# Altium PCB PCB4.PcbDoc (part 1 of 3) (continued)
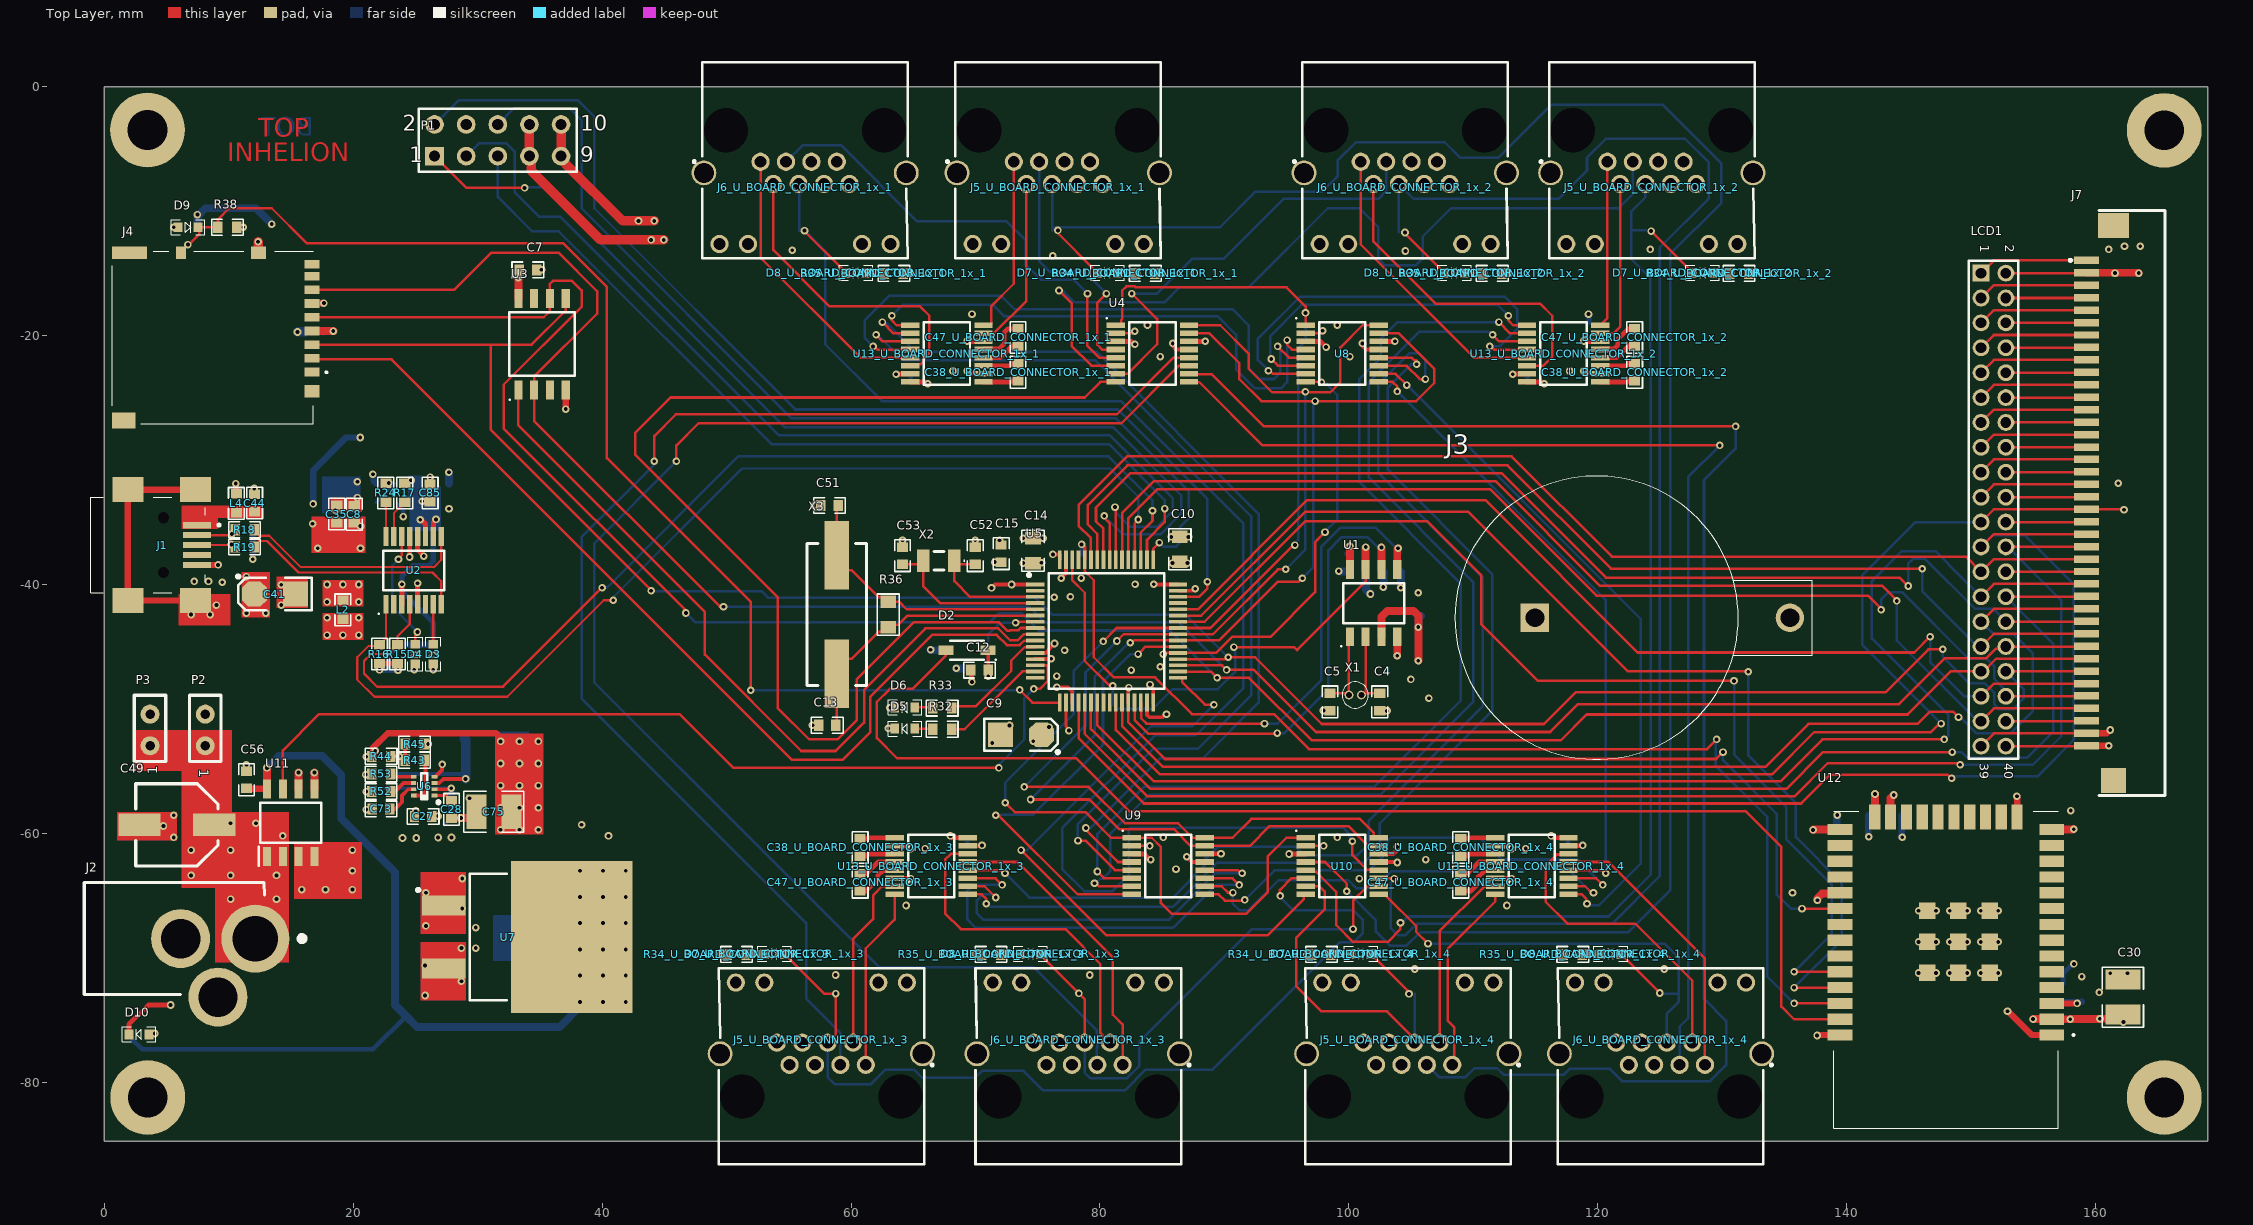
[diagram p0: Top Layer view]
## Components (designator, comment, footprint, x,y, rotation, side; value= is the part's Value field where it differs from the comment)
C1 "0.1uF/16V" 0603C 99.975,-38.212 r270 bottom
C2 "0.1uF/16V" 0603C 105.585,-41.899 r90 bottom
C3 "4.7uF/16V" CASE-A 105.675,-45.112 r270 bottom
C4 "10pF/50V" 0603C 102.475,-49.412 r90 top
C5 "10pF/50V" 0603C 98.475,-49.412 r270 top
C6 "0.1uF/16V" 0603C 16.891,-19.668 r0 bottom
C7 "0.1uF/16V" 0603C 34.036,-14.715 r180 top
C8 "0.01uF/16V" 0603C 20.086,-34.342 r90 top
C9 "4.7uF/16V" CASE-A 75.311,-52.053 r180 top
C10 "10uF/25V" 0805C 86.421,-37.165 r270 top
C11 "0.1uF/16V" 0603C 76.821,-38.365 r270 bottom
C12 "1uF/16V" 0603C 70.321,-46.865 r180 top
C13 "20pF/50V" 0603C 58.09,-51.291 r180 top
C14 "10uF/25V" 0805C 74.621,-37.265 r270 top
C15 "0.1uF/16V" 0603C 72.06,-37.513 r90 top
C16 "0.1uF/16V" 0603C 85.462,-21.094 r180 bottom
C17 "0.1uF/16V" 0603C 86.65,-62.28 r180 bottom
C18 "0.1uF/16V" 0603C 100.72,-21.16 r180 bottom
C19 "0.1uF/16V" 0603C 104.902,-62.086 r0 bottom
C20 "0.1uF/16V" 0603C 84.328,-47.354 r90 bottom
C21 "0.1uF/16V" 0603C 76.454,-45.83 r0 bottom
C22 "0.1uF/16V" 0603C 76.921,-40.465 r0 bottom
C23 "0.1uF/16V" 0603C 84.021,-39.965 r180 bottom
C24 "0.1uF/16V" 0603C 76.986,-48.065 r90 bottom
C25 "1uF/16V" 0603C 22.247,-55.209 r180 bottom
C26 "22uF/25V" 1210C 25.925,-59.268 r0 bottom
C27 "0.1uF/50V" 0603C 25.63,-58.621 r0 top
C28 "1nF/63V" 0603C 27.906,-58.048 r90 top
C29 "0.1uF/16V" 0603C 160.274,-73.897 r90 bottom
C30 "22uF/25V" 1210C 162.179,-73.135 r270 top
C31 "1uF/16V" 0603C 157.438,-72.826 r90 bottom
C32 "0.1uF/16V" 0603C 161.544,-52.307 r270 bottom
C33 "22uF/25V" 1210C 27.178,-68.563 r270 bottom
C34 "22uF/25V" 1210C 39.37,-61.07 r270 bottom
C35 "0.1uF/16V" 0603C 18.689,-34.328 r90 top
C36 "0.1uF/16V" 0603C 161.036,-14.207 r90 bottom
C37 "10uF/25V" 0805C 162.936,-13.807 r270 bottom
C38_U_BOARD_CONNECTOR_1x_1 "0.1uF/50V" 0603C 73.416,-22.935 r270 top (schematic designator C38)
C38_U_BOARD_CONNECTOR_1x_2 "0.1uF/50V" 0603C 122.946,-22.935 r270 top (schematic designator C38)
C38_U_BOARD_CONNECTOR_1x_3 "0.1uF/50V" 0603C 60.73,-61.105 r90 top (schematic designator C38)
C38_U_BOARD_CONNECTOR_1x_4 "0.1uF/50V" 0603C 108.99,-61.105 r90 top (schematic designator C38)
C39_U_BOARD_CONNECTOR_1x_1 "0.1uF/50V" 0603C 65.508,-23.335 r0 bottom (schematic designator C39)
C39_U_BOARD_CONNECTOR_1x_2 "0.1uF/50V" 0603C 115.038,-23.335 r0 bottom (schematic designator C39)
C39_U_BOARD_CONNECTOR_1x_3 "0.1uF/50V" 0603C 68.638,-60.705 r180 bottom (schematic designator C39)
C39_U_BOARD_CONNECTOR_1x_4 "0.1uF/50V" 0603C 116.898,-60.705 r180 bottom (schematic designator C39)
C40 "4.7uF/16V" CASE-A 19.304,-35.543 r90 bottom
C41 "4.7uF/16V" CASE-A 12.067,-40.75 r0 top
C42 "0.1uF/16V" 0603C 13.544,-39.611 r180 bottom
C43 "0.1uF/16V" 0603C 13.544,-41.135 r180 bottom
C44 "0.01uF/16V" 0603C 12.085,-33.45 r90 top
C45_U_BOARD_CONNECTOR_1x_1 "0.1uF/50V" 0603C 69.744,-19.46 r270 bottom (schematic designator C45)
C45_U_BOARD_CONNECTOR_1x_2 "0.1uF/50V" 0603C 119.313,-19.65 r270 bottom (schematic designator C45)
C45_U_BOARD_CONNECTOR_1x_3 "0.1uF/50V" 0603C 64.349,-64.563 r90 bottom (schematic designator C45)
C45_U_BOARD_CONNECTOR_1x_4 "0.1uF/50V" 0603C 112.662,-64.545 r90 bottom (schematic designator C45)
C46_U_BOARD_CONNECTOR_1x_1 "0.1uF/50V" 0603C 68.908,-23.335 r0 bottom (schematic designator C46)
C46_U_BOARD_CONNECTOR_1x_2 "0.1uF/50V" 0603C 118.438,-23.335 r0 bottom (schematic designator C46)
C46_U_BOARD_CONNECTOR_1x_3 "0.1uF/50V" 0603C 65.238,-60.705 r180 bottom (schematic designator C46)
C46_U_BOARD_CONNECTOR_1x_4 "0.1uF/50V" 0603C 113.498,-60.705 r180 bottom (schematic designator C46)
C47_U_BOARD_CONNECTOR_1x_1 "0.1uF/50V" 0603C 73.416,-20.135 r270 top (schematic designator C47)
C47_U_BOARD_CONNECTOR_1x_2 "0.1uF/50V" 0603C 122.946,-20.135 r270 top (schematic designator C47)
C47_U_BOARD_CONNECTOR_1x_3 "0.1uF/50V" 0603C 60.73,-63.905 r90 top (schematic designator C47)
C47_U_BOARD_CONNECTOR_1x_4 "0.1uF/50V" 0603C 108.99,-63.905 r90 top (schematic designator C47)
C48 "2.2uF/50V" 0603C 5.969,-59.292 r0 bottom
C49 "10uF/63V" EEE-FN1J100L 5.842,-59.292 r180 top
C50 "47pF/100V" 0603C 11.261,-35.674 r180 bottom
C51 "20pF/50V" 0603C 58.279,-33.638 r180 top
C52 "20pF/50V" 0603C 69.977,-37.675 r90 top
C53 "20pF/50V" 0603C 64.135,-37.675 r90 top
C54 "1uF/16V" 0603C 30.988,-67.547 r0 bottom
C55 "0.1uF/16V" 0603C 30.963,-69.189 r180 bottom
C56 "0.1uF/16V" 0603C 11.43,-55.671 r90 top
C63 "47pF/100V" 0603C 11.261,-36.944 r180 bottom
C73 "6.8nF/50V" 0603C 22.247,-58.016 r0 top
C74 "22uF/25V" 1210C 31.308,-58.25 r0 bottom
C75 "22uF/25V" 1210C 31.308,-58.25 r0 top
C76 "10pF/50V" 0603C 22.255,-53.789 r0 bottom
C85 "0.1uF/16V" 0603C 26.182,-32.626 r270 top
C86 "4.7nF/50V" 0603C 9.545,-41.008 r270 bottom
D1 "1N4148" 1N4148W-13-F 69.321,-45.265 r180 bottom value=100V
D2 "1N4148" 1N4148W-13-F 69.321,-45.265 r180 top value=100V
D3 "LEDR" LED_0603 26.436,-45.58 r90 top value=RED
D4 "LEDR" LED_0603 24.993,-45.58 r90 top value=RED
D5 "LEDR" LED_0603 64.321,-51.565 r180 top value=RED
D6 "LEDR" LED_0603 64.321,-49.865 r180 top value=RED
D7_U_BOARD_CONNECTOR_1x_1 "LEDR" LED_0603 80.593,-14.945 r180 top value=RED (schematic designator D7)
D7_U_BOARD_CONNECTOR_1x_2 "LEDR" LED_0603 128.419,-14.945 r180 top value=RED (schematic designator D7)
D7_U_BOARD_CONNECTOR_1x_3 "LEDR" LED_0603 53.848,-69.657 r0 top value=RED (schematic designator D7)
D7_U_BOARD_CONNECTOR_1x_4 "LEDR" LED_0603 100.965,-69.657 r0 top value=RED (schematic designator D7)
D8_U_BOARD_CONNECTOR_1x_1 "LEDR" LED_0603 60.4,-14.945 r180 top value=RED (schematic designator D8)
D8_U_BOARD_CONNECTOR_1x_2 "LEDR" LED_0603 108.466,-14.945 r180 top value=RED (schematic designator D8)
D8_U_BOARD_CONNECTOR_1x_3 "LEDR" LED_0603 74.422,-69.657 r0 top value=RED (schematic designator D8)
D8_U_BOARD_CONNECTOR_1x_4 "LEDR" LED_0603 121.031,-69.657 r0 top value=RED (schematic designator D8)
D9 "LEDR" LED_0603 6.731,-11.286 r0 top value=RED
D10 "LEDR" LED_0603 2.794,-76.125 r180 top value=RED
J1 "Mini USB" 10033527-N3112LF 4.775,-36.818 r270 top
J2 "PJ-002BH" PJ002BH 12.144,-68.435 r180 top
J3 "101" 101 114.935,-42.655 r0 top locked value=-
J4 "DM3AT-SF-PEJM5" DM3ATSFPEJM5 9.269,-20.143 r270 top
J5_U_BOARD_CONNECTOR_1x_1 "RJHSE-5381" RJHSE5381 76.576,-5.9 r180 top (schematic designator J5)
J5_U_BOARD_CONNECTOR_1x_2 "RJHSE-5381" RJHSE5381 124.264,-5.9 r180 top (schematic designator J5)
J5_U_BOARD_CONNECTOR_1x_3 "RJHSE-5381" RJHSE5381 57.684,-78.7 r0 top (schematic designator J5)
J5_U_BOARD_CONNECTOR_1x_4 "RJHSE-5381" RJHSE5381 104.8,-78.7 r0 top (schematic designator J5)
J6_U_BOARD_CONNECTOR_1x_1 "RJHSE-5381" RJHSE5381 56.236,-5.9 r180 top (schematic designator J6)
J6_U_BOARD_CONNECTOR_1x_2 "RJHSE-5381" RJHSE5381 104.452,-5.9 r180 top (schematic designator J6)
J6_U_BOARD_CONNECTOR_1x_3 "RJHSE-5381" RJHSE5381 78.324,-78.7 r0 top (schematic designator J6)
J6_U_BOARD_CONNECTOR_1x_4 "RJHSE-5381" RJHSE5381 125.101,-78.7 r0 top (schematic designator J6)
J7 "ER-CON40HB-2" ERCON40HB2 161.708,-33.442 r270 top locked
L2 "100R,1A" 0603L 19.177,-42.02 r270 top value=100R/1A
L4 "100R,1A" 0603L 10.626,-33.463 r90 top value=100R/1A
L6 "2.2uH" IHLP1616BZER2R2M5A 29.034,-53.507 r0 bottom
LCD1 "LCD320X480" HDR2X20 150.781,-14.969 r270 top locked value=320x480
P1 "Program" HDR2X5 26.543,-5.571 r0 top
P2 "POWER" HEADER_2 8.128,-49.132 r180 top
P3 "Enable" HEADER_2 3.683,-49.132 r180 top
R1 "10K" 0603R 101.375,-38.212 r90 bottom
R2 "1K" 0603R 104.175,-38.212 r90 bottom
R3 "1K" 0603R 102.775,-38.212 r90 bottom
R4 "10K" 0603R 83.062,-19.594 r0 bottom
R5 "10K" 0603R 98.22,-19.76 r0 bottom
R6 "10K" 0603R 84.388,-60.98 r0 bottom
R7 "10K" 0603R 82.221,-48.065 r270 bottom
R8 "10K" 0603R 78.521,-38.365 r90 bottom
R9 "0R" 0603R 27.706,-32.626 r270 bottom
R10 "10K" 0603R 70.321,-46.865 r0 bottom
R11 "10K" 0603R 98.298,-60.562 r0 bottom
R12 "10K" 0603R 138.43,-59.673 r0 bottom
R13 "10K" 0603R 136.906,-64.753 r180 bottom
R14 "10K" 0603R 158.877,-72.754 r90 bottom
R15 "10K" 0603R 23.557,-45.58 r270 top
R16 "10K" 0603R 22.118,-45.58 r270 top
R17 "10K" 0603R 24.15,-32.626 r90 top
R18 "27R" 0603R 11.283,-35.587 r180 top
R19 "27R" 0603R 11.283,-36.975 r180 top
R20 "10K" 0603R 144.399,-57.768 r270 bottom
R21 "10K" 0603R 158.623,-58.911 r270 bottom
R22 "1M" 0805R 7.767,-41.389 r90 bottom
R23 "4.7K" 0603R 21.844,-32.622 r270 bottom
R24 "0R" 0603R 22.626,-32.626 r270 top
R25 "10K" 0603R 23.388,-32.626 r90 bottom
R26 "10K" 0603R 141.732,-57.768 r90 bottom
R27 "10K" 0603R 161.798,-33.13 r270 bottom
R28_U_BOARD_CONNECTOR_1x_1 "10K" 0603R 76.148,-12.327 r270 bottom (schematic designator R28)
R28_U_BOARD_CONNECTOR_1x_2 "10K" 0603R 123.825,-12.302 r270 bottom (schematic designator R28)
R28_U_BOARD_CONNECTOR_1x_3 "10K" 0603R 58.293,-72.119 r90 bottom (schematic designator R28)
R28_U_BOARD_CONNECTOR_1x_4 "10K" 0603R 105.283,-72.119 r90 bottom (schematic designator R28)
R29_U_BOARD_CONNECTOR_1x_1 "10K" 0603R 55.828,-12.327 r270 bottom (schematic designator R29)
R29_U_BOARD_CONNECTOR_1x_2 "10K" 0603R 104.013,-12.429 r270 bottom (schematic designator R29)
R29_U_BOARD_CONNECTOR_1x_3 "10K" 0603R 78.74,-72.119 r90 bottom (schematic designator R29)
R29_U_BOARD_CONNECTOR_1x_4 "10K" 0603R 125.349,-72.119 r90 bottom (schematic designator R29)
R30 "220R" 0603R 26.436,-45.58 r270 bottom
R31 "220R" 0603R 24.997,-45.58 r270 bottom
R32 "220R" 0603R 67.321,-51.614 r180 top
R33 "220R" 0603R 67.321,-49.913 r180 top
R34_U_BOARD_CONNECTOR_1x_1 "220R" 0603R 83.641,-14.994 r180 top (schematic designator R34)
R34_U_BOARD_CONNECTOR_1x_2 "220R" 0603R 131.34,-14.994 r180 top (schematic designator R34)
R34_U_BOARD_CONNECTOR_1x_3 "220R" 0603R 50.8,-69.706 r0 top (schematic designator R34)
R34_U_BOARD_CONNECTOR_1x_4 "220R" 0603R 97.79,-69.706 r0 top (schematic designator R34)
R35_U_BOARD_CONNECTOR_1x_1 "220R" 0603R 63.448,-14.994 r180 top (schematic designator R35)
R35_U_BOARD_CONNECTOR_1x_2 "220R" 0603R 111.514,-14.994 r180 top (schematic designator R35)
R35_U_BOARD_CONNECTOR_1x_3 "220R" 0603R 71.247,-69.706 r0 top (schematic designator R35)
R35_U_BOARD_CONNECTOR_1x_4 "220R" 0603R 117.983,-69.706 r0 top (schematic designator R35)
R36 "1M" 0805R 62.992,-42.401 r270 top
R37 "220R" 0603R 6.731,-11.286 r180 bottom
R38 "10K" 0603R 9.906,-11.286 r0 top
R39 "220R" 0603R 2.794,-76.125 r0 bottom
R43 "10K" 0603R 24.933,-54.107 r180 top
R44 "40.2K" 0603R 22.255,-53.789 r0 top
R45 "7.68K" 0603R 24.933,-52.807 r180 top
R52 "604K" 0603R 22.247,-56.609 r0 top
R53 "20R" 0603R 22.247,-55.209 r0 top
U1 "MCP79400" MCP79400-I/SN 101.978,-41.48 r90 top
U2 "FT230XS-R" FT230 24.862,-38.861 r90 top
U3 "S25FL064LABMFI013" S25FL064LABMFI013 35.179,-20.684 r90 top value=64Mbit
U4 "ADG708BRUZ" ADG708BRUZ 84.218,-21.435 r0 top
U5 "STM32F101RBT6" STM32F101RBT6 80.527,-43.731 r0 top
U6 "MP2333HGTL" MP2333HGTL-P 25.707,-56.185 r180 top value=3.3V
U7 "LD1085D2T33R" LD1085D2T33R 37.551,-68.306 r0 top value=3.3V
U8 "ADG708BRUZ" ADG708BRUZ 99.458,-21.435 r0 top
U9 "ADG708BRUZ" ADG708BRUZ 85.488,-62.605 r0 top
U10 "ADG708BRUZ" ADG708BRUZ 99.458,-62.605 r0 top
U11 "TMCS1101A2BQDT" SOIC127P600X175-8N 14.986,-59.12 r90 top
U12 "ESP32-WROOM-32E_M113EH3200PH3Q0_" ESP32WROOM32EM113EH3200PH3Q0 156.464,-76.183 r180 top locked
U13_U_BOARD_CONNECTOR_1x_1 "MAX3232CPWR" MAX3232CPWR 67.708,-21.435 r180 top (schematic designator U13)
U13_U_BOARD_CONNECTOR_1x_2 "MAX3232CPWR" MAX3232CPWR 117.238,-21.435 r180 top (schematic designator U13)
U13_U_BOARD_CONNECTOR_1x_3 "MAX3232CPWR" MAX3232CPWR 66.438,-62.605 r0 top (schematic designator U13)
U13_U_BOARD_CONNECTOR_1x_4 "MAX3232CPWR" MAX3232CPWR 114.698,-62.605 r0 top (schematic designator U13)
X1 "AB26T-32.768KHZ-6" AB26T32768KHZE 100.004,-48.864 r0 top value=32.768KHZ
X2 "FC-135R 32.7680KA-AC" "FC-135R 32.7680KA-AC" 67.056,-38.083 r180 top value=32.768K
X3 "ECS-080-20-5PX-TR" ECS-080-20-5PX-TR 58.852,-42.401 r270 top value=8Mhz

## Footprints (in the part's own frame and the unit in brackets; to place one, negate y for a bottom-side part, rotate by r counter-clockwise, add the part's x,y. Pads: shape width x height; smd on the part's side, far side on the other; paste and mask are expansions set on the pad)
1N4148W-13-F [mm]
  rect 1.2x0.75 smd: 1(-1.7,0) 2(1.7,0)
  silkscreen extent -2.3,-0.77 1.35,0.77, body extent -1.85,-0.78 1.85,0.78, height 1.45
101 [mm]
  rect 2.28x2.28 hole 1.52: 1(0,0)
  round 2.28 hole 1.52: 2(20.49,0)
  silkscreen extent -6.42,-11.38 22.27,11.38
0603C [mm]
  rect 0.762x0.9 smd: 1(-0.7,0) 2(0.7,0)
  silkscreen extent -1.27,-0.64 1.27,0.64, body extent -0.8,-0.4 0.8,0.4, height 0.93
0603L [mil]
  rect 30x35 smd: 1(30,0) 2(-30,0)
  silkscreen extent -50,-25 50,25, body extent -31,-16 32,16, height 31
0603R [mil]
  rect 30x35 smd: 1(30,0) 2(-30,0)
  silkscreen extent -50,-25 50,25, body extent -31,-17 31,17, height 18
0805C [mm]
  rect 1x1.25 smd: 1(-1,0) 2(1,0)
  silkscreen extent -1.65,-0.89 1.65,0.89, body extent -1,-0.6 1,0.6, height 0.91
0805R [mil]
  rect 40x50 smd: 1(-40,0) 2(40,0)
  silkscreen extent -65,-35 65,35, body extent -39,-25 39,25, height 18
1210C [mm]
  rect 1.6x2.794 smd: 1(-1.4,0) 2(1.4,0)
  silkscreen extent -2.41,-1.65 2.41,1.65, body extent -1.6,-1.25 1.6,1.25, height 2.5
10033527-N3112LF [mm]
  rect 0.5x2.25 smd: 1(-1.6,2.675) 2(-0.8,2.675) 3(0,2.675) 4(0.8,2.675) 5(1.6,2.675)
  round 0.45 hole 0.9 unplated: MH1(-2.2,0) MH2(2.2,0)
  rect 2x2.5 smd: MP1(-4.45,2.55) MP2(4.45,2.55) MP3(-4.45,-2.87) MP4(4.45,-2.87)
  silkscreen extent -3.85,-5.85 3.85,4.55, body extent -5.25,-5.85 5.25,3.75, height 4.15
AB26T32768KHZE [mm]
  round 0.7 hole 0.46: 1(0,0) 2(1,0)
  silkscreen extent -0.55,-1.05 1.55,1.05, body extent -0.55,-1.05 1.55,1.05, height 8.3
ADG708BRUZ [mm]
  rect 1.475x0.45 smd: 1(-2.938,2.275) 2(-2.938,1.625) 3(-2.938,0.975) 4(-2.938,0.325) 5(-2.938,-0.325) 6(-2.938,-0.975) 7(-2.938,-1.625) 8(-2.938,-2.275) 9(2.938,-2.275) 10(2.938,-1.625) 11(2.938,-0.975) 12(2.938,-0.325) 13(2.938,0.325) 14(2.938,0.975) 15(2.938,1.625) 16(2.938,2.275)
  silkscreen extent -3.68,-2.5 1.85,2.85, body extent -3.2,-2.5 3.2,2.5, height 1.2
CASE-A [mm]
  oct 2x2 smd: 1(0,0)
  rect 2x2 smd: 2(3.3,0)
  silkscreen extent -1.43,-1.3 4.6,1.53, body extent -0.7,-0.9 4.1,0.9, height 1.8
DM3ATSFPEJM5 [mm]
  rect 0.7x1.2 smd: 1(2.775,7.412) 2(1.675,7.412) 3(0.575,7.412) 4(-0.525,7.412) 5(-1.625,7.412) 6(-2.725,7.412) 7(-3.825,7.412) 8(-4.925,7.412) MP2(-5.875,7.412)
  rect 1x1.2 smd: MP1(4.325,7.412) MP3(-6.825,3.112)
  rect 1x0.8 smd: MP4(-6.825,-3.087)
  rect 1x2.8 smd: MP5(-6.825,-7.237)
  rect 1.3x1.9 smd: MP6(6.675,-7.688)
  silkscreen extent -6.93,-8.64 6.93,8.64, body extent -7.24,-8.64 7.19,7.94, height 1.93
ECS-080-20-5PX-TR [mm]
  rect 5.5x2 smd: 1(-4.75,0) 2(4.75,0)
  silkscreen extent -5.7,-2.4 5.7,2.4, body extent -7.3,-2.4 7.3,2.4, height 4.4
EEE-FN1J100L [mm]
  rect 3.4x1.8 smd: 1(-3,0) 2(3,0)
  silkscreen extent -3.3,-3.3 3.3,3.3, body extent -3.9,-3.4 3.9,3.4, height 6.1
ERCON40HB2 [mm]
  rect 0.6x2 smd: 1(-19.5,-2.45) 2(-18.5,-2.45) 3(-17.5,-2.45) 4(-16.5,-2.45) 5(-15.5,-2.45) 6(-14.5,-2.45) 7(-13.5,-2.45) 8(-12.5,-2.45) 9(-11.5,-2.45) 10(-10.5,-2.45) 11(-9.5,-2.45) 12(-8.5,-2.45) 13(-7.5,-2.45) 14(-6.5,-2.45) 15(-5.5,-2.45) 16(-4.5,-2.45) 17(-3.5,-2.45) 18(-2.5,-2.45) 19(-1.5,-2.45) 20(-0.5,-2.45) 21(0.5,-2.45) 22(1.5,-2.45) 23(2.5,-2.45) 24(3.5,-2.45) 25(4.5,-2.45) 26(5.5,-2.45) 27(6.5,-2.45) 28(7.5,-2.45) 29(8.5,-2.45) 30(9.5,-2.45) 31(10.5,-2.45) 32(11.5,-2.45) 33(12.5,-2.45) 34(13.5,-2.45) 35(14.5,-2.45) 36(15.5,-2.45) 37(16.5,-2.45) 38(17.5,-2.45) 39(18.5,-2.45) 40(19.5,-2.45)
  rect 2x2.5 smd: 41(-22.3,-0.3)
  rect 2x2 smd: 42(22.3,-0.3)
  silkscreen extent -23.5,-3.85 23.5,3.85
ESP32WROOM32EM113EH3200PH3Q0 [mm]
  rect 2x0.9 smd: 1(0,0) 2(0,-1.27) 3(0,-2.54) 4(0,-3.81) 5(0,-5.08) 6(0,-6.35) 7(0,-7.62) 8(0,-8.89) 9(0,-10.16) 10(0,-11.43) 11(0,-12.7) 12(0,-13.97) 13(0,-15.24) 14(0,-16.51) 25(17,-16.51) 26(17,-15.24) 27(17,-13.97) 28(17,-12.7) 29(17,-11.43) 30(17,-10.16) 31(17,-8.89) 32(17,-7.62) 33(17,-6.35) 34(17,-5.08) 35(17,-3.81) 36(17,-2.54) 37(17,-1.27) 38(17,0)
  rect 0.9x2 smd: 15(2.785,-17.51) 16(4.055,-17.51) 17(5.325,-17.51) 18(6.595,-17.51) 19(7.865,-17.51) 20(9.135,-17.51) 21(10.405,-17.51) 22(11.675,-17.51) 23(12.945,-17.51) 24(14.215,-17.51)
  rect 1.33x1.33 smd: 39(5,-5) 40(5,-7.5) 41(5,-10) 42(7.5,-10) 43(7.5,-7.5) 44(7.5,-5) 45(10,-5) 46(10,-7.5) 47(10,-10)
  silkscreen extent -1.8,-18 17.5,7.5, body extent -0.46,-18.03 17.61,7.51, height 3
"FC-135R 32.7680KA-AC" [mm]
  rect 1x1.8 smd: 1(-1.25,0) 2(1.25,0)
  silkscreen extent -2.1,-0.75 0.4,0.75
FT230 [mm]
  rect 1.526x0.435 smd: 1(-2.712,2.222) 2(-2.712,1.588) 3(-2.712,0.952) 4(-2.712,0.318) 5(-2.712,-0.318) 6(-2.712,-0.952) 7(-2.712,-1.588) 8(-2.712,-2.222) 9(2.712,-2.222) 10(2.712,-1.588) 11(2.712,-0.952) 12(2.712,-0.318) 13(2.712,0.318) 14(2.712,0.952) 15(2.712,1.588) 16(2.712,2.222)
  silkscreen extent -3.48,-2.45 1.6,2.79, body extent -3,-2.45 3,2.45, height 1.75
HDR2X5 [mm] "Connector; Header; 5x2 Position"
  rect 1.5x1.5 hole 0.9: 1(0,0)
  round 1.5 hole 0.9: 2(0,2.54) 3(2.54,0) 4(2.54,2.54) 5(5.08,0) 6(5.08,2.54) 7(7.62,0) 8(7.62,2.54) 9(10.16,0) 10(10.16,2.54)
  silkscreen extent -1.27,-1.27 11.43,3.81
HDR2X20 [mm] "Connector; Header; 20x2 Position"
  rect 1.35x1.35 hole 0.85: 1(0,0)
  round 1.35 hole 0.85: 2(0,2) 3(2,0) 4(2,2) 5(4,0) 6(4,2) 7(6,0) 8(6,2) 9(8,0) 10(8,2) 11(10,0) 12(10,2) 13(12,0) 14(12,2) 15(14,0) 16(14,2) 17(16,0) 18(16,2) 19(18,0) 20(18,2) 21(20,0) 22(20,2) 23(22,0) 24(22,2) 25(24,0) 26(24,2) 27(26,0) 28(26,2) 29(28,0) 30(28,2) 31(30,0) 32(30,2) 33(32,0) 34(32,2) 35(34,0) 36(34,2) 37(36,0) 38(36,2) 39(38,0) 40(38,2)
  silkscreen extent -1,-1 39,3
HEADER_2 [mil]
  round 60 hole 30: 1(0,150) 2(0,50)
  silkscreen extent -50,-10 50,200
IHLP1616BZER2R2M5A [mil]
  rect 90x120 smd: 1(0,0) 2(157.48,0)
  silkscreen extent -10,-85 165,85
LD1085D2T33R [mm]
  rect 3.5x1.6 smd: 1(-10.275,2.54) 3(-10.275,-2.54)
  rect 9.75x12.2 smd: 4(0,0)
  silkscreen extent -12.39,-5.1 -5.2,5.1, body extent -10.41,-3.25 -0.71,3.33, height 2.3
LED_0603 [mm]
  rect 0.7x0.8 smd: 1(-0.8,0) 2(0.8,0)
  silkscreen extent -1.35,-0.6 1.35,0.6, body extent -0.8,-0.4 0.8,0.4, height 0.75
MAX3232CPWR [mm]
  rect 1.475x0.45 smd: 1(-2.938,2.275) 2(-2.938,1.625) 3(-2.938,0.975) 4(-2.938,0.325) 5(-2.938,-0.325) 6(-2.938,-0.975) 7(-2.938,-1.625) 8(-2.938,-2.275) 9(2.938,-2.275) 10(2.938,-1.625) 11(2.938,-0.975) 12(2.938,-0.325) 13(2.938,0.325) 14(2.938,0.975) 15(2.938,1.625) 16(2.938,2.275)
  silkscreen extent -1.85,-2.5 1.85,2.5, body extent -3.2,-2.5 3.2,2.5, height 1.2
MCP79400-I/SN [mm]
  rect 1.5x0.65 smd: 1(-2.7,1.905) 2(-2.7,0.635) 3(-2.7,-0.635) 4(-2.7,-1.905) 5(2.7,-1.905) 6(2.7,-0.635) 7(2.7,0.635) 8(2.7,1.905)
  silkscreen extent -3.45,-2.45 1.6,2.58, body extent -3,-2.45 3,2.45, height 1.75
MP2333HGTL-P [mm]
  rect 0.475x0.3 smd: 1(-0.838,0.75) 2(-0.838,0.25) 3(-0.838,-0.25) 4(-0.838,-0.75) 5(0.838,-0.75) 6(0.838,-0.25) 7(0.838,0.25) 8(0.838,0.75)
  silkscreen extent -1.27,-1.05 0.25,1.42, body extent -0.8,-1.05 0.8,1.05, height 0.6
PJ002BH [mm]
  round 5.46 hole 3.64: 1(0,0)
  round 4.74 hole 3.16: 2(6,0) 3(3,4.7)
  silkscreen extent -4,-4.5 13.75,4.5, body extent -0.73,-4.57 13.67,4.83, height 11.36
RJHSE5381 [mm]
  round 1.462 hole 0.94: 1(3.501,0.125) 2(2.481,1.905) 3(1.461,0.125) 4(0.441,1.905) 5(-0.579,0.125) 6(-1.599,1.905) 7(-2.619,0.125) 8(-3.639,1.905) 9(6.801,6.735) 10(4.511,6.735) 11(-4.649,6.735) 12(-6.939,6.735)
  round 2 hole 1.6: MH1(-8.199,1.015) MH2(8.061,1.015)
  round 1.65 hole 3.556 unplated: MH3(-6.419,-2.415) MH4(6.281,-2.415)
  silkscreen extent -8.32,-7.88 8.93,7.88, body extent -8.47,-8.13 8.36,8.08, height 16.37
S25FL064LABMFI013 [mm]
  rect 1.55x0.65 smd: 1(-3.675,1.905) 2(-3.675,0.635) 3(-3.675,-0.635) 4(-3.675,-1.905) 5(3.675,-1.905) 6(3.675,-0.635) 7(3.675,0.635) 8(3.675,1.905)
  silkscreen extent -4.45,-2.64 2.55,2.64, body extent -4,-2.64 4,2.64, height 2.16
SOIC127P600X175-8N [mm]
  rect 1.525x0.65 smd: 1(-2.712,1.905) 2(-2.712,0.635) 3(-2.712,-0.635) 4(-2.712,-1.905) 5(2.712,-1.905) 6(2.712,-0.635) 7(2.712,0.635) 8(2.712,1.905)
  silkscreen extent -3.47,-2.45 1.6,2.58, body extent -3,-2.45 3,2.45, height 1.75
STM32F101RBT6 [mm]
  rect 1.475x0.3 smd: 1(-5.738,3.75) 2(-5.738,3.25) 3(-5.738,2.75) 4(-5.738,2.25) 5(-5.738,1.75) 6(-5.738,1.25) 7(-5.738,0.75) 8(-5.738,0.25) 9(-5.738,-0.25) 10(-5.738,-0.75) 11(-5.738,-1.25) 12(-5.738,-1.75) 13(-5.738,-2.25) 14(-5.738,-2.75) 15(-5.738,-3.25) 16(-5.738,-3.75) 33(5.738,-3.75) 34(5.738,-3.25) 35(5.738,-2.75) 36(5.738,-2.25) 37(5.738,-1.75) 38(5.738,-1.25) 39(5.738,-0.75) 40(5.738,-0.25) 41(5.738,0.25) 42(5.738,0.75) 43(5.738,1.25) 44(5.738,1.75) 45(5.738,2.25) 46(5.738,2.75) 47(5.738,3.25) 48(5.738,3.75)
  rect 0.3x1.475 smd: 17(-3.75,-5.738) 18(-3.25,-5.738) 19(-2.75,-5.738) 20(-2.25,-5.738) 21(-1.75,-5.738) 22(-1.25,-5.738) 23(-0.75,-5.738) 24(-0.25,-5.738) 25(0.25,-5.738) 26(0.75,-5.738) 27(1.25,-5.738) 28(1.75,-5.738) 29(2.25,-5.738) 30(2.75,-5.738) 31(3.25,-5.738) 32(3.75,-5.738) 49(3.75,5.738) 50(3.25,5.738) 51(2.75,5.738) 52(2.25,5.738) 53(1.75,5.738) 54(1.25,5.738) 55(0.75,5.738) 56(0.25,5.738) 57(-0.25,5.738) 58(-0.75,5.738) 59(-1.25,5.738) 60(-1.75,5.738) 61(-2.25,5.738) 62(-2.75,5.738) 63(-3.25,5.738) 64(-3.75,5.738)
  silkscreen extent -6.35,-4.65 4.65,4.65, body extent -6,-6 6,6, height 1.6

## Part data
C1 C6 C7 C11 C15 C16 C17 C18 C19 C20 C21 C22 C23 C24 C29 C32 C36 C42 C43 C55 C56 C85: library part Cap, "Multilayer Ceramic Capacitors MLCC - SMD/SMT 0603 16VDC 0.1uF 10% X7R AEC-Q2000", Mfr="Taiyo Yuden", Mfr Part No=EMK107B7104KAHT, Package=0603, PRICE=0.101, Stockiest=MOUSER, Stockiest Part No=963-EMK107B7104KAHT
C2: library part 0805_CAP, "Multilayer Ceramic Capacitors MLCC - SMD/SMT 0603 16VDC 0.1uF 10% X7R AEC-Q2000", Mfr="Taiyo Yuden", Mfr Part No=EMK107B7104KAHT, Package=0603, PRICE=0.101, Stockiest=MOUSER, Stockiest Part No=963-EMK107B7104KAHT
C3 C9 C40 C41: library part "Cap Pol1", "Tantalum Capacitors - Solid SMD 16V 4.7uF 1206", Mfr=KEMET, Mfr Part No=T495A475K016ATA2K0, Package=1206, PRICE=1.83, Stockiest=MOUSER, Stockiest Part No=80-T495A475K16ATA2K0
C4 C5 C76: library part Cap, "Multilayer Ceramic Capacitors MLCC - SMD/SMT 50V 10pF 0603 C0G 5% AEC-Q200", Mfr=KEMET, Mfr Part No=C0603C100J5GACAUTO, Package=0603, PRICE=0.192, Stockiest=MOUSER, Stockiest Part No=80-C0603C100J5GAUTO
C8 C44: library part Cap, "Multilayer Ceramic Capacitors MLCC - SMD/SMT 16V 0.01uF X7R 0603 10% AEC-Q200", Mfr=KEMET, Mfr Part No=C0603C103K4RECAUTO, Package=0603, PRICE=0.151, Stockiest=MOUSER, Stockiest Part No=80-C0603C103K4RECAUT
C10 C14 C37: library part Cap, "Multilayer Ceramic Capacitors MLCC - SMD/SMT 0805 25VDC 10uF 20% X5R", Mfr="Taiyo Yuden", Mfr Part No=TMK212BBJ106MG-T, Package=0805, PRICE=0.232, Stockiest=MOUSER, Stockiest Part No=963-TMK212BBJ106MG-T
C12 C25 C31 C54: library part Cap, "Multilayer Ceramic Capacitors MLCC - SMD/SMT 16volts 1uF X7R 10%", Mfr=KEMET, Mfr Part No=C0603C105K4RAC7411, Package=0603, PRICE=0.101, Stockiest=MOUSER, Stockiest Part No=80-C0603C105K4RLR
C13 C51 C52 C53: library part Cap, "Multilayer Ceramic Capacitors MLCC - SMD/SMT 50V 20pF 0603 C0G 5% AEC-Q200", Mfr=KEMET, Mfr Part No=C0603C200J5GACAUTO, Package=0603, PRICE=0.322, Stockiest=MOUSER, Stockiest Part No=80-C0603C200J5GAUTO
C26 C30 C33 C34 C74 C75: library part Cap, "Multilayer Ceramic Capacitors MLCC - SMD/SMT 1210 25VDC 22uF 20% X7R AEC-Q200", Mfr="Taiyo Yuden", Mfr Part No=TMK325B7226MMHP, Package=1210, PRICE=0.807, Stockiest=MOUSER, Stockiest Part No=963-TMK325B7226MMHP
C27 C38_U_BOARD_CONNECTOR_1x_1 C38_U_BOARD_CONNECTOR_1x_2 C38_U_BOARD_CONNECTOR_1x_3 C38_U_BOARD_CONNECTOR_1x_4 C39_U_BOARD_CONNECTOR_1x_1 C39_U_BOARD_CONNECTOR_1x_2 C39_U_BOARD_CONNECTOR_1x_3 C39_U_BOARD_CONNECTOR_1x_4 C45_U_BOARD_CONNECTOR_1x_1 C45_U_BOARD_CONNECTOR_1x_2 C45_U_BOARD_CONNECTOR_1x_3 C45_U_BOARD_CONNECTOR_1x_4 C46_U_BOARD_CONNECTOR_1x_1 C46_U_BOARD_CONNECTOR_1x_2 C46_U_BOARD_CONNECTOR_1x_3 C46_U_BOARD_CONNECTOR_1x_4 C47_U_BOARD_CONNECTOR_1x_1 C47_U_BOARD_CONNECTOR_1x_2 C47_U_BOARD_CONNECTOR_1x_3 C47_U_BOARD_CONNECTOR_1x_4: library part Cap, "Multilayer Ceramic Capacitors MLCC - SMD/SMT 50V 0.1uF 0603 X7R 20%", Mfr=KEMET, Mfr Part No=C0603C104M5RACTU, Package=0603, PRICE=0.101, Stockiest=MOUSER, Stockiest Part No=80-C0603C104M5R
C28: library part Cap, "Multilayer Ceramic Capacitors MLCC - SMD/SMT 63V 1000pF 0603 X7R 10% AEC-Q200", Mfr=KEMET, Mfr Part No=80-C0603C102KMREAUTO, Package=0603, PRICE=0.201, Stockiest=MOUSER, Stockiest Part No=C0603C102KMRECAUTO
C35: library part Cap, "Multilayer Ceramic Capacitors MLCC - SMD/SMT 0603 16VDC 0.1uF 10% X7R AEC-Q200", Mfr="Taiyo Yuden", Mfr Part No=EMK107B7104KAHT, Package=0603, PRICE=0.101, Stockiest=MOUSER, Stockiest Part No=963-EMK107B7104KAHT
C48: library part Cap, "Multilayer Ceramic Capacitors MLCC - SMD/SMT 0603 2.2uF 20% 50VDC X5R", Mfr="Murata Electronics", Mfr Part No=GRM188R61H225ME11J, Package=0603, PRICE=0.333, Stockiest=MOUSER, Stockiest Part No=81-GRM188R61H225ME1J
C49: library part "Cap Pol1", "Polarized Capacitor (Radial)", Mfr=Panasonic, Mfr Part No=EEE-FN1J100L, Package=SMD, PRICE=0.484, Stockiest=MOUSER, Stockiest Part No=667-EEE-FN1J100L
C50 C63: library part Cap, "Multilayer Ceramic Capacitors MLCC - SMD/SMT 100V 47pF 0603 X8R 20% AEC-Q200", Mfr=KEMET, Mfr Part No=C0603C470M1HACAUTO, Package=0603, PRICE=0.121, Stockiest=MOUSER, Stockiest Part No=80-C0603C470M1HAUTO
C73: library part Cap, "Multilayer Ceramic Capacitors MLCC - SMD/SMT 0603 50VDC 6.8nF 5% C0G AEC-Q200", Mfr=TDK, Mfr Part No=CGA3E2C0G1H682J080AE, Package=0603, PRICE=0.363, Stockiest=MOUSER, Stockiest Part No=810-CGA3E2C0G1H682J8
C86: library part 0805_CAP, "Multilayer Ceramic Capacitors MLCC - SMD/SMT 50V 4700pF X7R 0603 10% AEC-Q200", Mfr=KEMET, Mfr Part No=C0603C472K5RACAUTO7411, Package=0603, PRICE=0.221, Stockiest=MOUSER, Stockiest Part No=80-C0603C472K5RAUTLR
D1 D2: library part Diode, "Diodes - General Purpose, Power, Switching 400mW 100Vrrm 4ns", Mfr="Diodes Incorporated", Mfr Part No=1N4148W-13-F, Package=SOD-123-2, PRICE=0.171, Stockiest=MOUSER, Stockiest Part No=621-1N4148W-13-F
D3 D4 D5 D6 D7_U_BOARD_CONNECTOR_1x_1 D7_U_BOARD_CONNECTOR_1x_2 D7_U_BOARD_CONNECTOR_1x_3 D7_U_BOARD_CONNECTOR_1x_4 D8_U_BOARD_CONNECTOR_1x_1 D8_U_BOARD_CONNECTOR_1x_2 D8_U_BOARD_CONNECTOR_1x_3 D8_U_BOARD_CONNECTOR_1x_4 D9 D10: library part LED, "Standard LEDs - SMD Red 631nm 14mcd 5mA", Mfr="Lite On", Mfr Part No=LTST-C193KRKT-5A, Package=0603, PRICE=0.28, Stockiest=MOUSER, Stockiest Part No=859-LTSTC193KRKT5A
J1: library part 10033527-N3112LF, "USB Connectors M-USB 1X1 B/REC R/A SMT", Mfr="TE Connectivity", Mfr Part No=1734035-2, PRICE=1.59, Stockiest=MOUSER, Stockiest Part No=571-1734035-2
J2: "Connector", Mfr Part No=PJ-002BH
J3: "Coin Cell Battery Holders 20mm coin cell HOLDER", Mfr Part No=101, PRICE=2.23, Stockiest=MOUSER, Stockiest Part No=534-101
J4: "Memory Card Connectors R/A SMT MICROSD CON PUSH-PUSH TOP BRDMNT", Mfr="Hirose Connector", Mfr Part No=DM3AT-SF-PEJM5, PRICE=2.52, Stockiest=MOUSER, Stockiest Part No=798-DM3AT-SF-PEJM5
J5_U_BOARD_CONNECTOR_1x_1 J5_U_BOARD_CONNECTOR_1x_2 J5_U_BOARD_CONNECTOR_1x_3 J5_U_BOARD_CONNECTOR_1x_4 J6_U_BOARD_CONNECTOR_1x_1 J6_U_BOARD_CONNECTOR_1x_2 J6_U_BOARD_CONNECTOR_1x_3 J6_U_BOARD_CONNECTOR_1x_4: "Modular Connectors / Ethernet Connectors R/A RJ45 SHEILDED 8 CONT Y/G LEDS", Mfr="Amphenol Commercial Products", Mfr Part No=RJHSE-5381, PRICE=1.77, Stockiest=MOUSER, Stockiest Part No=523-RJHSE-5381
J7: "40 Pin 1.0mm Pitch Bottom Contact ZIF Connector,FPC Connector"
L2 L4: library part 0805_IND, "Ferrite Beads 100ohms 1A 60mOhms 0603 Ferrite Chip", Mfr=TDK, Mfr Part No=MPZ1608D101BTA00, Package=0603, PRICE=0.10, Stockiest=MOUSER, Stockiest Part No=810-MPZ1608D101BTA00
L6: library part INDUCTOR, "Fixed Inductors 2.2uH 20% High Temp AEC-Q200", Mfr="Vishay / Dale", Mfr Part No=IHLP1616BZER2R2M5A, PRICE=1.36, Stockiest=MOUSER, Stockiest Part No=70-IHLP1616BZR2R2M5A
LCD1: library part ER-TFTM035-6, Mfr="Buy LCD", Mfr Part No=ER-TFTM035-6, PRICE=17, Stockiest="BUY LCD", Stockiest Part No=ER-TFTM035-6
P1: library part "Header 5X2", "Header, 5-Pin, Dual row", LatestRevisionDate=17-Jul-2002, LatestRevisionNote="Re-released for DXP Platform.", Publisher="Altium Limited"
P2 P3: library part HEADER_2
R1 R4 R5 R6 R7 R8 R11 R12 R13 R14 R15 R16 R17 R20 R21 R25 R26 R27 R28_U_BOARD_CONNECTOR_1x_1 R28_U_BOARD_CONNECTOR_1x_2 R28_U_BOARD_CONNECTOR_1x_3 R28_U_BOARD_CONNECTOR_1x_4 R29_U_BOARD_CONNECTOR_1x_1 R29_U_BOARD_CONNECTOR_1x_2 R29_U_BOARD_CONNECTOR_1x_3 R29_U_BOARD_CONNECTOR_1x_4 R38 R43: library part Res1, "Thick Film Resistors - SMD 0603 10Kohms 1% Anti-Sulfur AEC-Q200", Mfr="ROHM Semiconductor", Mfr Part No=SFR03EZPF1002, Package=0603, PRICE=0.101, Stockiest=MOUSER, Stockiest Part No=755-SFR03EZPF1002
R2 R3: library part Res1, "Resistor", Mfr="Vishay / Dale", Mfr Part No=CRCW06031K00FKEAC, Package=0603, PRICE=0.1, Stockiest=MOUSER, Stockiest Part No=71-CRCW06031K00FKEAC
R9 R24: library part Res1, "Thick Film Resistors - SMD 1/10Watt 0ohms Commercial Use", Mfr="Vishay / Dale", Mfr Part No=CRCW06030000Z0EAC, Package=0603, PRICE=0.101, Stockiest=MOUSER, Stockiest Part No=71-CRCW06030000Z0EAC
R10: library part 0402_RES, "Thick Film Resistors - SMD 0603 10Kohms 1% Anti-Sulfur AEC-Q200", Mfr="ROHM Semiconductor", Mfr Part No=SFR03EZPF1002, Package=0603, PRICE=0.101, Stockiest=MOUSER, Stockiest Part No=755-SFR03EZPF1002
R18 R19: library part Res1, "Thick Film Resistors - SMD 0603 0.25W 1% 27ohm AEC-Q200", Mfr=Panasonic, Mfr Part No=ERJ-UP3F27R0V, Package=0603, PRICE=0.262, Stockiest=MOUSER, Stockiest Part No=667-ERJ-UP3F27R0V
R22 R36: library part 0805_RES, "Thick Film Resistors - SMD 0603 0.25W 1% 1Mohm AEC-Q200", Mfr=Panasonic, Mfr Part No=ERJ-UP3F1004V, Package=0603, PRICE=0.262, Stockiest=MOUSER, Stockiest Part No=667-ERJ-UP3F1004V
R23: library part Res1, "Thick Film Resistors - SMD 1/10Watt 4.7Kohms 5% Commercial Use", Mfr="Vishay / Dale", Mfr Part No=CRCW06034K70JNEAC, Package=0603, PRICE=0.101, Stockiest=MOUSER, Stockiest Part No=71-CRCW06034K70JNEAC
R30 R31 R32 R33 R34_U_BOARD_CONNECTOR_1x_1 R34_U_BOARD_CONNECTOR_1x_2 R34_U_BOARD_CONNECTOR_1x_3 R34_U_BOARD_CONNECTOR_1x_4 R35_U_BOARD_CONNECTOR_1x_1 R35_U_BOARD_CONNECTOR_1x_2 R35_U_BOARD_CONNECTOR_1x_3 R35_U_BOARD_CONNECTOR_1x_4 R37 R39: library part Res1, "Thick Film Resistors - SMD 1/10Watt 220ohms 5% Commercial Use", Mfr="Vishay / Dale", Mfr Part No=CRCW0603220RJNEAC, Package=0603, PRICE=0.101, Stockiest=MOUSER, Stockiest Part No=71-CRCW0603220RJNEAC
R44: library part Res1, "Thick Film Resistors - SMD 0603 Anti-Surge Res. 0.1%, 40.2Koh", Mfr=Panasonic, Mfr Part No=ERJ-PB3B4022V, Package=0603, PRICE=0.252, Stockiest=MOUSER, Stockiest Part No=667-ERJ-PB3B4022V
R45: library part Res1, "Thick Film Resistors - SMD 0603 Anti-Surge Res. 0.1%, 7.68Koh", Mfr=Panasonic, Mfr Part No=ERJ-PB3B7681V, Package=0603, PRICE=0.252, Stockiest=MOUSER, Stockiest Part No=667-ERJ-PB3B7681V
R52: library part Res1, "Thick Film Resistors - SMD 0603 1% 604Kohm Anti-Sulfur AEC-Q200", Mfr=Panasonic, Mfr Part No=ERJ-U03F6043V, Package=0603, PRICE=0.221, Stockiest=MOUSER, Stockiest Part No=667-ERJ-U03F6043V
R53: library part Res1, "Thick Film Resistors - SMD 0603 0.25W 1% 20ohm AEC-Q200", Mfr=Panasonic, Mfr Part No=ERJ-UP3F20R0V, Package=0603, PRICE=0.262, Stockiest=MOUSER, Stockiest Part No=667-ERJ-UP3F20R0V
U1: "Real Time Clock I2C GP RTCC 64B SRAM ID", Mfr="Microchip Technology", Mfr Part No=MCP79400-I/SN, PRICE=0.827, Stockiest=MOUSER, Stockiest Part No=579-MCP79400ISN
U2: library part FT230, "USB Interface IC USB to Basic Serial UART IC SSOP-16", Mfr=FTDI, Mfr Part No=FT230XS-R, PRICE=2.06, Stockiest=MOUSER, Stockiest Part No=895-FT230XS-R
U3: "NOR Flash Nor", Mfr="Cypress Semiconductor", Mfr Part No=S25FL064LABMFI013, PRICE=1.45, Stockiest=MOUSER, Stockiest Part No=727-S25FL064LAMFI013
U4 U8 U9 U10: "Multiplexer Switch ICs 8-CHANNEL MUX", Mfr="Analog Devices", Mfr Part No=ADG708BRUZ, PRICE=3.68, Stockiest=MOUSER, Stockiest Part No=584-ADG708BRUZ
U5: "ARM Microcontrollers - MCU 32BIT Cortex M3 128K 16KB RAM 1X12 ADC", Mfr=STMicroelectronics, Mfr Part No=STM32F101RBT6, PRICE=5.12, Stockiest=MOUSER, Stockiest Part No=511-STM32F101RBT6
U6: "Switching Voltage Regulators High-Efficiency, 3A, 18V, 1200kHz, Synchronous, Step-Down Converter", Mfr="Monolithic Power Systems (MPS)", Mfr Part No=MP2333HGTL-P, PRICE=1.89, Stockiest=MOUSER, Stockiest Part No=946-MP2333HGTL-P
U7: "Integrated Circuit", Mfr=STMicroelectronics, Mfr Part No=LD1085D2T33R, PRICE=1.30, Stockiest=MOUSER, Stockiest Part No=511-LD1085D2T33-TR
U11: library part TMCS1101A1BQDR, "Board Mount Current Sensors Precision isolated current sensor with internal reference 8-SOIC -40 to 125", Mfr="Texas Instruments", Mfr Part No=TMCS1101A2BQDT, PRICE=5.22, Stockiest=MOUSER, Stockiest Part No=595-TMCS1101A2BQDT
U12: "Integrated Circuit", Mfr="Espressif Systems", Mfr Part No=ESP32-WROOM-32E(M113EH3200PH3Q0), PRICE=2.62, Stockiest=MOUSER, Stockiest Part No=356-ESP32WRM32E132PH
U13_U_BOARD_CONNECTOR_1x_1 U13_U_BOARD_CONNECTOR_1x_2 U13_U_BOARD_CONNECTOR_1x_3 U13_U_BOARD_CONNECTOR_1x_4: "RS-232 Interface IC 3-5.5V Mult-Ch RS232", Mfr="Texas Instruments", Mfr Part No=MAX3232CPWR, PRICE=0.94, Stockiest=MOUSER, Stockiest Part No=595-MAX3232CPWR
X1: "Crystals 32.768KHz 6pF 32.768KHZ", Mfr=ABRACON, Mfr Part No=AB26T-32.768KHZ-6, PRICE=0.252, Stockiest=MOUSER, Stockiest Part No=815-AB26T-32.768K-6
X2: library part FC-135R_32.7680KA-A0, "Crystals SMD XTL KHZ +/-20PPM,-40 85C 9.0PF BULK", Mfr="Epson Timing", Mfr Part No="FC-135R 32.7680KA-AC", PRICE=0.584, Stockiest=MOUSER, Stockiest Part No=732-5R32.7680KA-AC
X3: library part ABLS-12.000MHZ-B4-T, "Crystals 8MHz 20pF -10C +70C", Mfr=ECS, Mfr Part No=ECS-080-20-5PX-TR, PRICE=0.273, Stockiest=MOUSER, Stockiest Part No=520-ECS-080-20-5PX-T

## Free pads (board coordinates)
  round 6 hole 3.2: ""(3.484,-3.472) ""(3.5,-81.2) ""(165.5,-81.2) ""(165.5,-3.5)

## Via types
v1: diameter 0.61, hole 0.305, Top Layer to Bottom Layer, tented both sides, 398 vias
v2: diameter 0.61, hole 0.305, Top Layer to Bottom Layer, 57 vias

## Nets (pads, with @x,y where several pads share a name; then routed paths per layer and width w, separated by ;. In a path a pad name is that pad's centre, name@x,y a point inside that pad or via, vN(x,y) a via of type N, cw(c..) or ccw(c..) an arc to the next point about the centre after c; other vN are vias at no path point)
ADC_IN: U4.8 U5.8 | length 95.9
  Top Layer w0.203: 75.544,-43.544 75.529,-43.529 74.837,-43.529 U5.8@74.789,-43.481 73.631,-43.481 73.463,-43.649 72.793,-43.649 72.729,-43.713 72.561,-43.713 71.883,-43.035 65.025,-43.035 60.452,-47.608 60.452,-50.91 58.928,-52.434 56.642,-52.434 54.102,-49.894 54.102,-41.004 42.672,-29.574 42.672,-27.791 45.5,-24.963 78.779,-24.963 80.032,-23.71 U4.8@81.28,-23.71
B_SENSE: U5.33 U10.8 | length 51.5
  Top Layer w0.203: v1(73.66,-61.324) 80.518,-68.182 93.472,-68.182 96.363,-65.291 96.363,-65.003 96.487,-64.88 U10.8@96.52,-64.88 ; U5.33@86.265,-47.481 86.552,-47.481 86.601,-47.529 86.601,-47.817 88.424,-49.64 v1(89.154,-49.64)
  Bottom Layer w0.203: v1(73.66,-61.324) 74.155,-61.324 84.103,-51.376 87.418,-51.376 v1(89.154,-49.64)
BOARD_LSENSE1: D8_U_BOARD_CONNECTOR_1x_1.2 J6_U_BOARD_CONNECTOR_1x_1.4 R29_U_BOARD_CONNECTOR_1x_1.2 U10.12 | length 126.4
  Top Layer w0.203: v1(56.264,-11.557) 56.264,-11.609 59.302,-14.647 59.352,-14.647 59.6,-14.895 D8_U_BOARD_CONNECTOR_1x_1.2@59.6,-14.945 ; v1(100.278,-60.608) 100.278,-61.723 101.473,-62.917 102.383,-62.917 U10.12@102.396,-62.93
  Bottom Layer w0.203: J6_U_BOARD_CONNECTOR_1x_1.4@55.795,-7.805 55.828,-7.838 R29_U_BOARD_CONNECTOR_1x_1.2@55.828,-11.565 ; v1(56.264,-11.557) 57.912,-13.205 57.912,-20.684 62.487,-25.259 81.68,-25.259 91.516,-35.095 91.516,-48.294 87.696,-52.114 84.408,-52.114 76.962,-59.56 76.962,-62.848 78.734,-64.62 81.02,-64.62 82.296,-63.344 82.296,-59.665 82.415,-59.546 99.568,-59.546 100.076,-60.054 100.076,-60.296 100.278,-60.498 v1(100.278,-60.608)
BOARD_LSENSE2: D8_U_BOARD_CONNECTOR_1x_2.2 J6_U_BOARD_CONNECTOR_1x_2.4 R29_U_BOARD_CONNECTOR_1x_2.2 U10.11 | length 124.6
  Top Layer w0.203: U10.11@102.396,-63.58 102.401,-63.585 v1@103.461,-63.585 ; v1@104.504,-11.783 D8_U_BOARD_CONNECTOR_1x_2.2@107.368,-14.647
  Bottom Layer w0.203: v1(103.632,-63.61) 103.632,-63.678 103.378,-63.932 103.378,-67.61 103.95,-68.182 104.511,-68.182 105.467,-67.226 121.158,-67.226 124.968,-63.416 124.968,-12.912 128.913,-8.967 128.913,-6.087 127,-4.174 120.65,-4.174 119.126,-5.698 119.126,-6.714 116.84,-9 105.206,-9 J6_U_BOARD_CONNECTOR_1x_2.4@104.013,-7.807 ; J6_U_BOARD_CONNECTOR_1x_2.4@104.011,-7.805 J6_U_BOARD_CONNECTOR_1x_2.4@104.013,-7.807 ; R29_U_BOARD_CONNECTOR_1x_2.2@104.013,-11.667 J6_U_BOARD_CONNECTOR_1x_2.4@104.013,-7.807
  other v1: 104.504,-11.71
BOARD_LSENSE3: D8_U_BOARD_CONNECTOR_1x_3.2 J6_U_BOARD_CONNECTOR_1x_3.4 R29_U_BOARD_CONNECTOR_1x_3.2 U10.10 | length 43.7
  Top Layer w0.203: D8_U_BOARD_CONNECTOR_1x_3.2@75.222,-69.657 75.47,-69.906 75.47,-69.996 v1(78.31,-72.835) 78.765,-73.29 J6_U_BOARD_CONNECTOR_1x_3.4@78.765,-76.795 ; v1(100.33,-67.674) 100.33,-65.388 101.473,-64.245 102.381,-64.245 U10.10@102.396,-64.23
  Bottom Layer w0.203: J6_U_BOARD_CONNECTOR_1x_3.4@78.765,-76.795 78.765,-79.208 79.206,-79.649 82.18,-79.649 83.14,-78.689 83.14,-76.736 92.202,-67.674 v1(100.33,-67.674)
BOARD_LSENSE4: D8_U_BOARD_CONNECTOR_1x_4.2 J6_U_BOARD_CONNECTOR_1x_4.4 R29_U_BOARD_CONNECTOR_1x_4.2 U10.9 | length 39.4
  Top Layer w0.203: U10.9@102.396,-64.88 102.909,-64.88 103.032,-65.003 103.032,-65.042 105.41,-67.42 105.41,-67.895 v1(106.352,-68.836) ; D8_U_BOARD_CONNECTOR_1x_4.2@121.831,-69.657 121.831,-69.707 122.079,-69.956 122.131,-69.956 v1(124.976,-72.801)
  Bottom Layer w0.203: v1(106.352,-68.836) 125.368,-68.836 126.492,-69.96 126.492,-72.848 ; R29_U_BOARD_CONNECTOR_1x_4.2@125.349,-72.881 126.459,-72.881 126.492,-72.848 ; J6_U_BOARD_CONNECTOR_1x_4.4@125.542,-76.795 125.542,-74.466 126.492,-73.516 126.492,-72.848
BOARD_S0: U4.1 U5.41 U8.1 U9.1 U10.1 | length 108.4
  Top Layer w0.203: 72.644,-57.768 73.152,-58.276 78.843,-58.276 80.897,-60.33 82.037,-60.33 U9.1@82.55,-60.33 84.16,-60.33 84.901,-61.071 84.901,-65.588 85.747,-66.434 91.759,-66.434 93.472,-64.721 93.472,-61.832 94.974,-60.33 U10.1@96.52,-60.33 ; v1(80.264,-44.56) 81.343,-43.481 U5.41@86.265,-43.481 88.868,-43.481 95.531,-36.817 v1(95.656,-36.817) ; U4.1@81.28,-19.16 81.567,-19.16 81.691,-19.037 81.691,-18.749 81.788,-18.652 81.788,-16.366 82.118,-16.036 82.792,-16.036 82.868,-16.112 94.996,-16.112 96.52,-17.636 U8.1@96.52,-19.16
  Bottom Layer w0.203: v1(72.39,-57.514) 72.39,-55.896 77.875,-50.411 77.875,-46.949 v1(80.264,-44.56) ; v1(95.656,-36.817) 95.656,-36.707 95.809,-36.555 95.809,-36.515 95.921,-36.402 95.921,-21.029 96.52,-20.43 96.52,-18.173 v1(96.511,-18.164)
BOARD_S1: U4.16 U5.40 U8.16 U9.16 U10.16 | length 99.3
  Top Layer w0.203: v1(73.914,-56.244) 79.09,-56.244 82.011,-59.165 86.27,-59.165 87.435,-60.33 U9.16@88.426,-60.33 90.656,-60.33 92.173,-58.813 100.879,-58.813 101.985,-59.919 101.985,-60.207 102.109,-60.33 U10.16@102.396,-60.33 ; v1(81.36,-44.525) 81.904,-43.981 U5.40@86.265,-43.981 89.072,-43.981 94.285,-38.769 94.923,-38.769 v1(94.928,-38.763) ; U4.16@87.156,-19.16 89.662,-19.16 91.948,-21.446 91.948,-22.656 93.84,-24.548 98.498,-24.548 99.314,-23.732 99.314,-20.938 101.092,-19.16 U8.16@102.396,-19.16
  Bottom Layer w0.203: v1(73.914,-56.244) 78.836,-51.322 78.836,-47.049 v1(81.36,-44.525) ; v1(94.928,-38.763) 96.505,-37.186 v1(96.505,-24.509) v1@96.52,-24.494